# Altium PCB Inverter_540VDC_V2.PcbDoc (part 1 of 3)
Units mm, origin at the board's own origin, x right, y up, seen from the top; angles counter-clockwise.
Board outline 420 x 300 mm, 2 copper layers (Top Layer, Bottom Layer), stack 2.071 mm thick; 433 components, 189 nets, 1065 pads, 944 vias.
Unrouted connection lines stored in the file: 97.
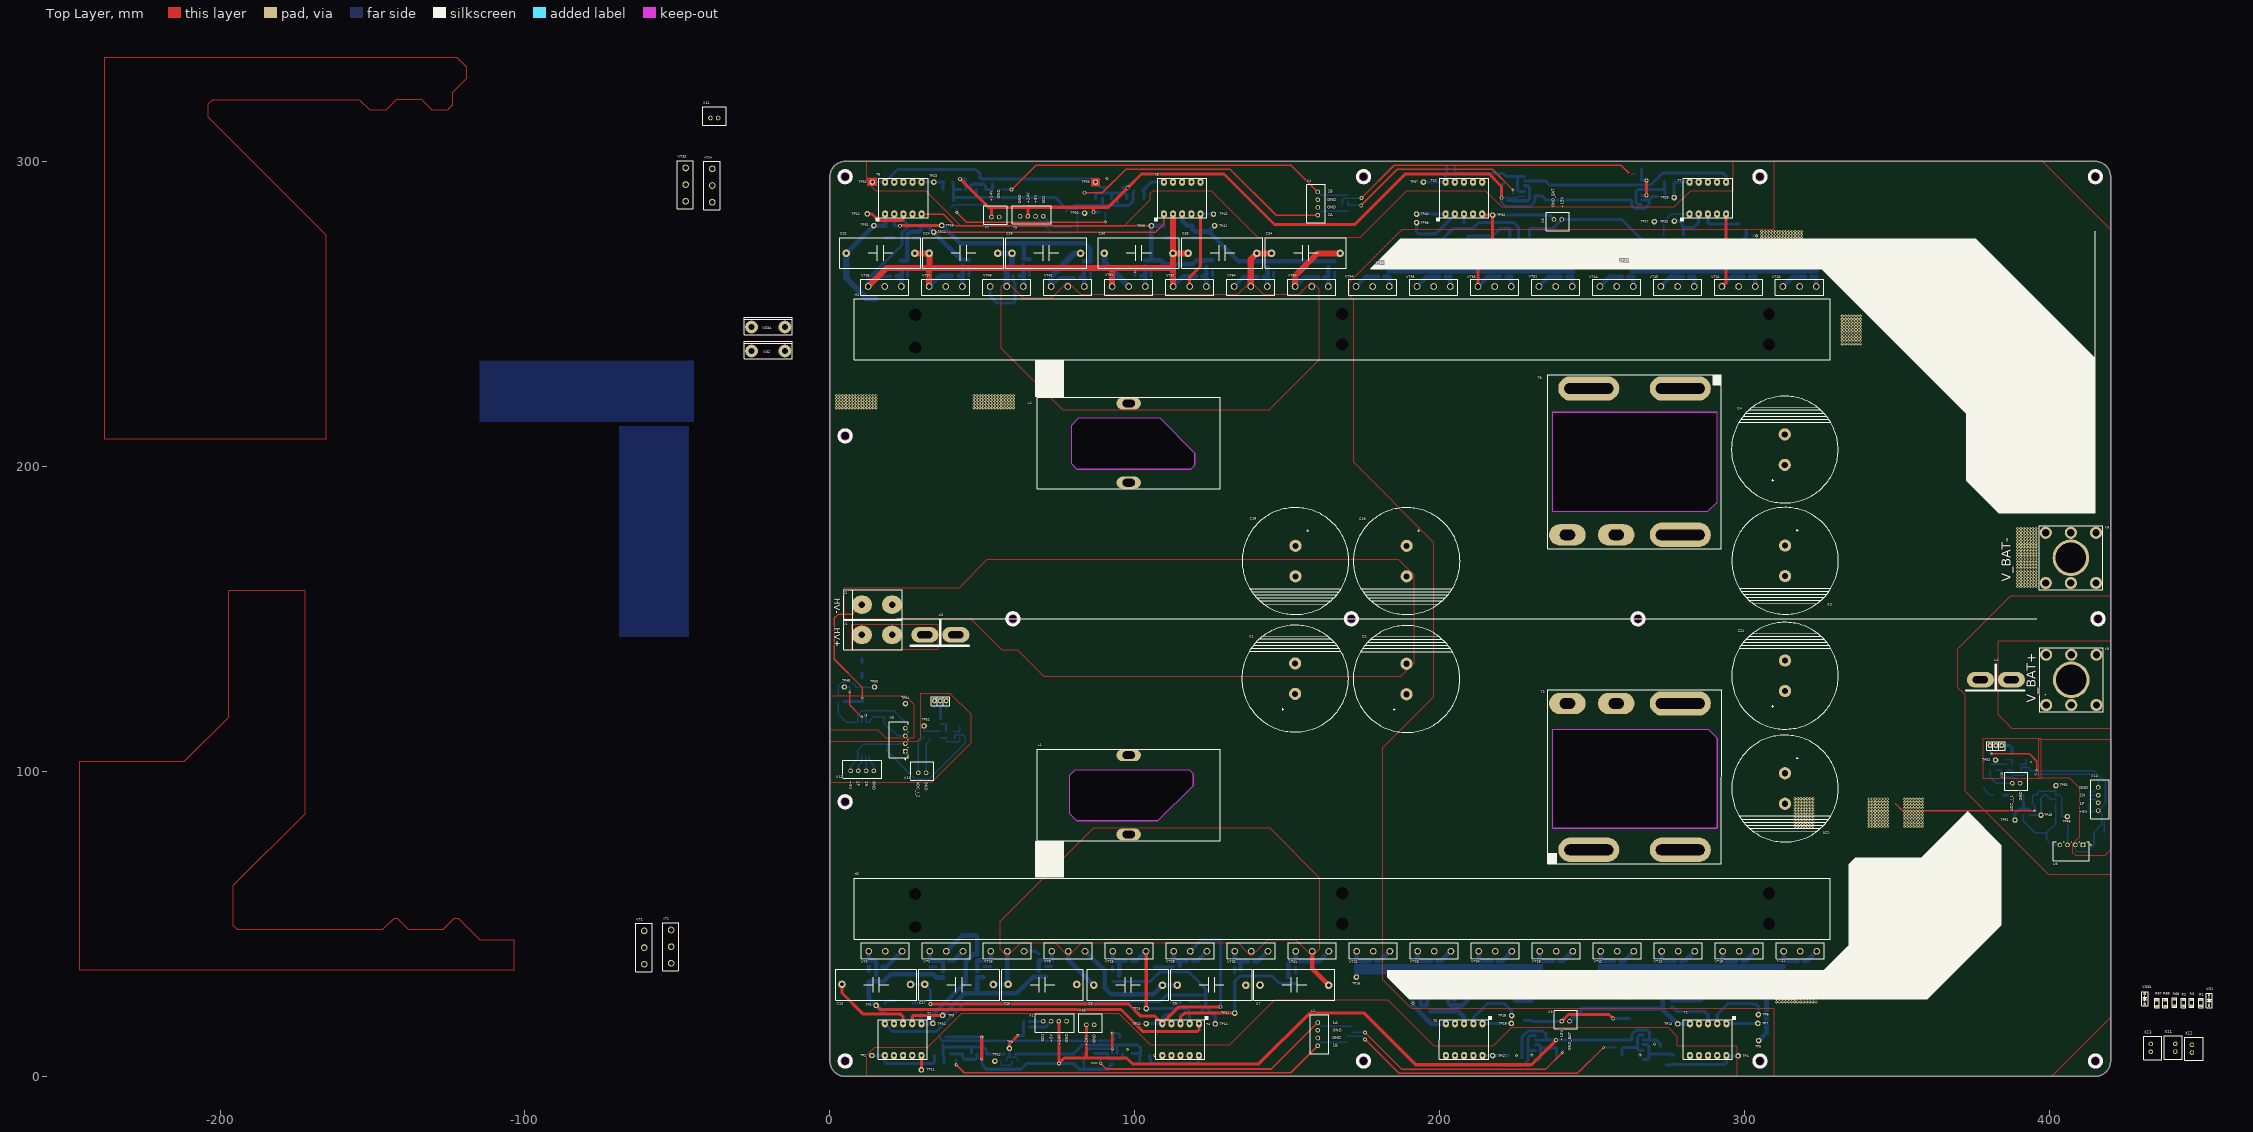
[diagram p0: Top Layer view]
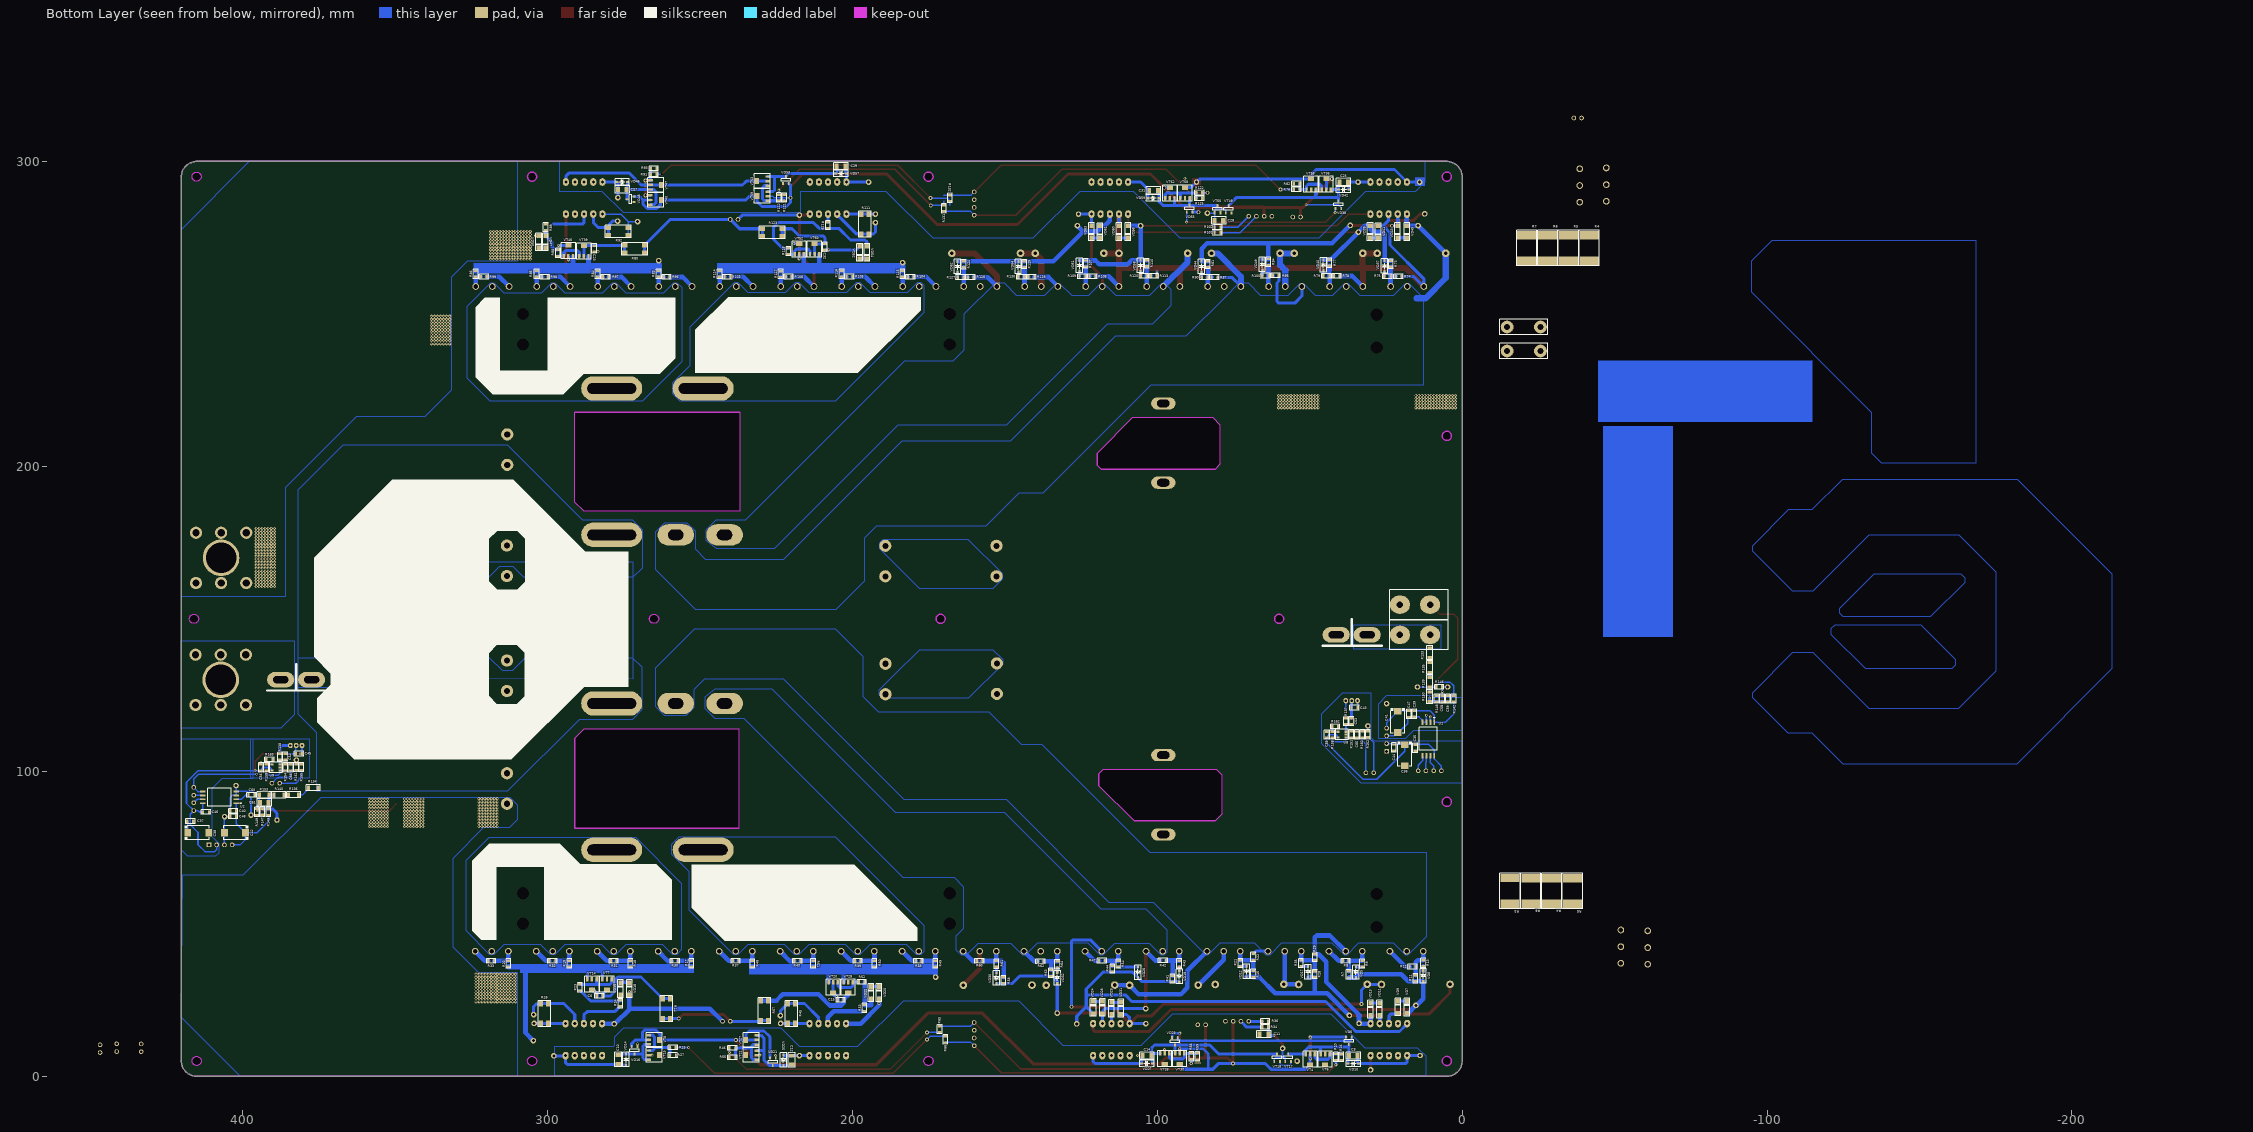
[diagram p1: Bottom Layer view, seen from below]
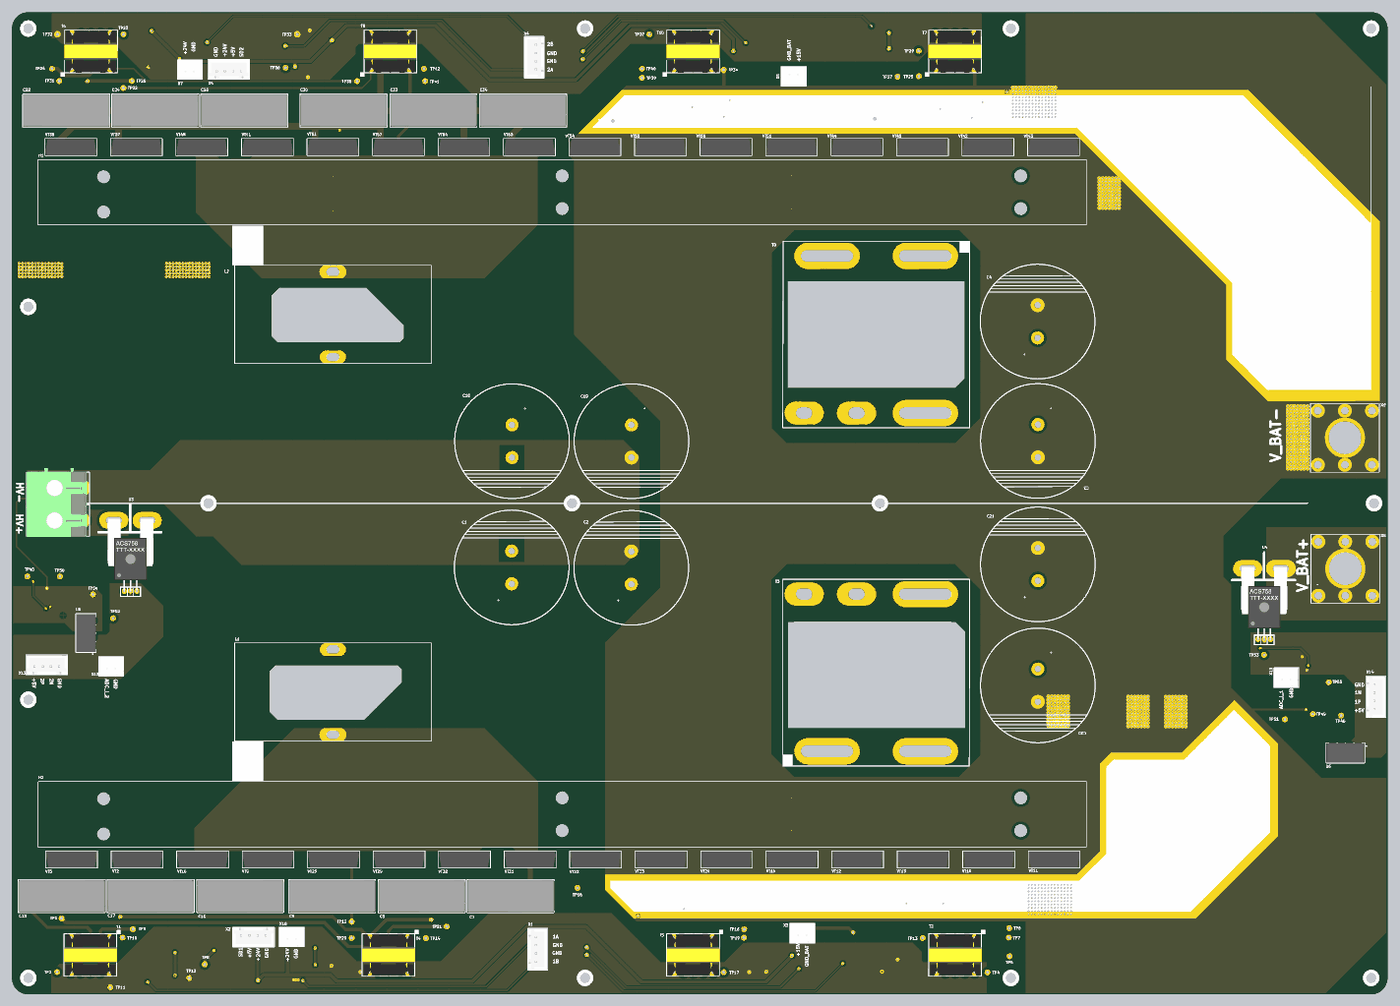
[diagram p4: 3D render of the assembled board from above, using the file's embedded part models]
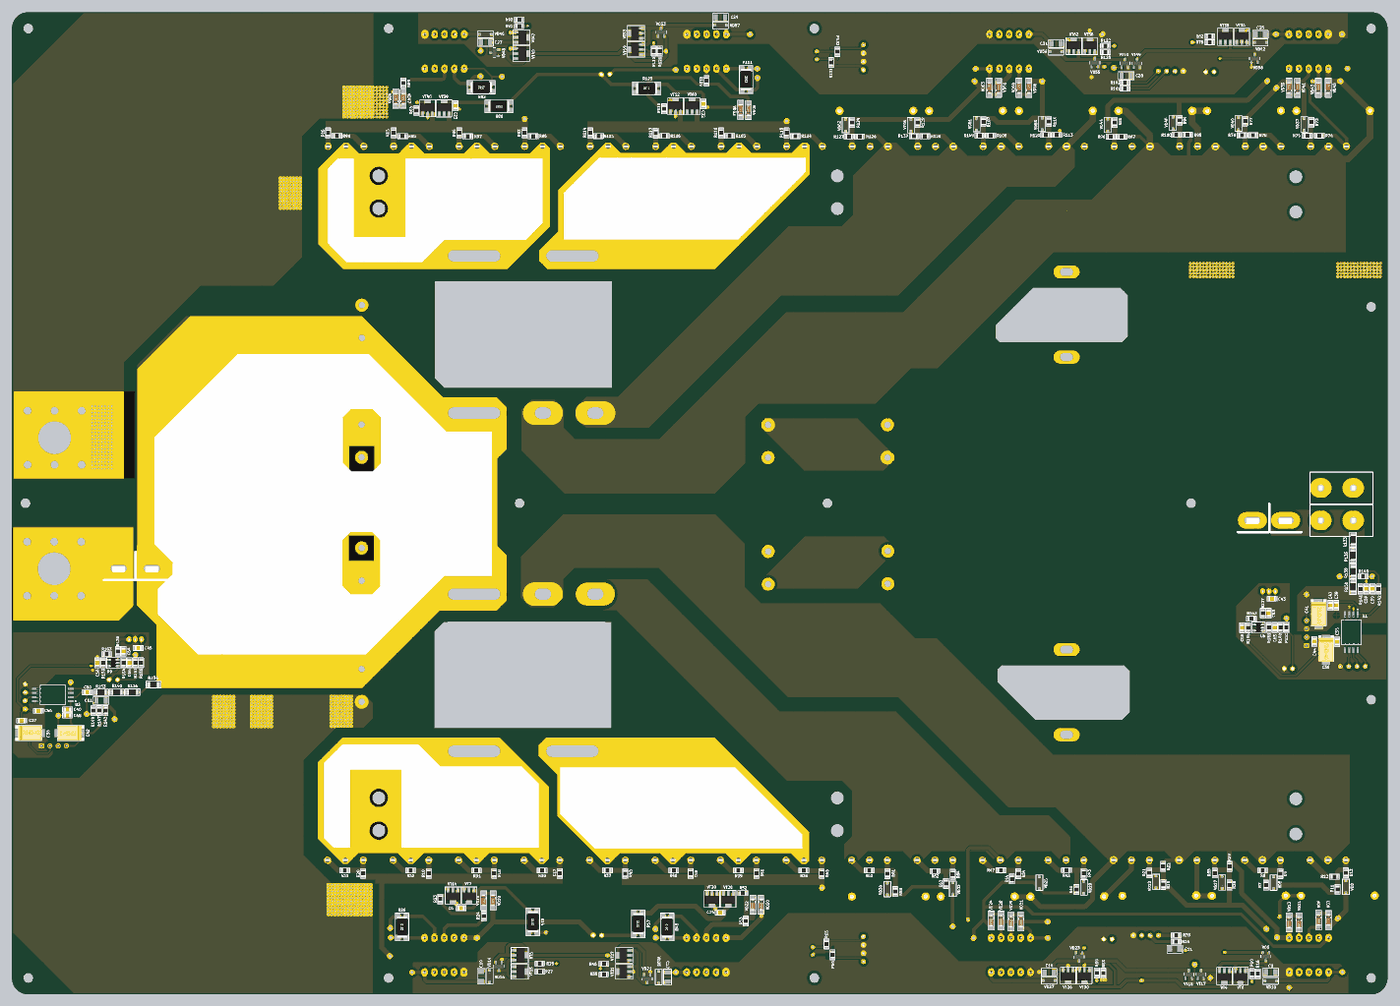
[diagram p5: 3D render of the assembled board from below, using the file's embedded part models]

## Layer stack, top to bottom
Top Solder: solder mask 0.0102, Solder Resist, Dk 3.5
Top Layer: signal copper 0.0356
Dielectric 1: dielectric 2, FR-4, Dk 4.8
Bottom Layer: signal copper 0.0356
Bottom Solder: solder mask 0.0102, Solder Resist, Dk 3.5

## Board outline
5,0 cw(c5,5) 0,5 0,295 cw(c5,295) 5,300 5.077,300 415,300.003 415,300 cw(c415,295) 420,295 420,5 cw(c415,5) 415,0
cut-out: 303.5,5 ccw(c305,5) 305,3.5 ccw(c305,5) 306.5,5 ccw(c305,5) 305,6.5 ccw(c305,5)
cut-out: 173.5,5 ccw(c175,5) 175,3.5 ccw(c175,5) 176.5,5 ccw(c175,5) 175,6.5 ccw(c175,5)
cut-out: 5,3.5 cw(c5,5) 3.5,5 cw(c5,5) 5,6.5 cw(c5,5) 6.5,5 cw(c5,5)
cut-out: 5,88.5 cw(c5,90) 3.5,90 cw(c5,90) 5,91.5 cw(c5,90) 6.5,90 cw(c5,90)
cut-out: 60,148.5 cw(c60,150) 58.5,150 cw(c60,150) 60,151.5 cw(c60,150) 61.5,150 cw(c60,150)
cut-out: 5,208.5 cw(c5,210) 3.5,210 cw(c5,210) 5,211.5 cw(c5,210) 6.5,210 cw(c5,210)
cut-out: 5,293.5 cw(c5,295) 3.5,295 cw(c5,295) 5,296.5 cw(c5,295) 6.5,295 cw(c5,295)
cut-out: 175,293.5 cw(c175,295) 173.5,295 cw(c175,295) 175,296.5 cw(c175,295) 176.5,295 cw(c175,295)
cut-out: 305,293.5 cw(c305,295) 303.5,295 cw(c305,295) 305,296.5 cw(c305,295) 306.5,295 cw(c305,295)
cut-out: 171,148.5 cw(c171,150) 169.5,150 cw(c171,150) 171,151.5 cw(c171,150) 172.5,150 cw(c171,150)
cut-out: 263.5,150 ccw(c265,150) 265,148.5 ccw(c265,150) 266.5,150 ccw(c265,150) 265,151.5 ccw(c265,150)
cut-out: 413.5,5 ccw(c415,5) 415,3.5 ccw(c415,5) 416.5,5 ccw(c415,5) 415,6.5 ccw(c415,5)
cut-out: 413.5,295 ccw(c415,295) 415,293.5 ccw(c415,295) 416.5,295 ccw(c415,295) 415,296.5 ccw(c415,295)
cut-out: 414.37,150 ccw(c415.87,150) 415.87,148.5 ccw(c415.87,150) 417.37,150 ccw(c415.87,150) 415.87,151.5 ccw(c415.87,150)
cut-out: 78.636,86.138 78.636,98.788 80.386,100.538 117.786,100.538 119.111,99.213 119.111,95.338 107.561,83.788 80.986,83.788
cut-out: 81,199.125 79.25,200.875 79.25,213.525 81.6,215.875 108.175,215.875 119.725,204.325 119.725,200.45 118.4,199.125
cut-out: 237.025,81.297 237.025,113.797 288.1,113.797 291.075,110.822 291.075,81.297
cut-out: 236.875,185.275 287.95,185.275 290.925,188.25 290.925,217.775 236.875,217.775

## Design rules (kind name [scope] priority, off if disabled: settings)
Clearance [All] p1: gap=0.8 ignorepadtopadclearanceinfootprint=TRUE except(0: Via-Hole Fill-Hole Text-Hole; 0.2: Arc-Track Arc-SMDPad Arc-THPad Arc-Via Arc-Fill Arc-Poly Arc-Region Arc-Text Arc-Hole; 0.25: Track-Track Track-SMDPad Track-THPad Track-Via Track-Fill Track-Poly Track-Region Track-Text Track-Hole; 0.254: Via-Via Via-Fill Via-Poly Via-Region Via-Text Fill-Fill Fill-Poly Fill-Region Fill-Text Text-Text; 0.4: Arc-Arc SMDPad-SMDPad SMDPad-THPad SMDPad-Via SMDPad-Fill SMDPad-Poly SMDPad-Region SMDPad-Text SMDPad-Hole)
ComponentClearance [All] p1: gap=-5 collisioncheckmode=3 verticalgap=0.254 showdistances=FALSE
DiffPairsRouting [All] p1: maxlimit=5 minlimit=0.254 mostfreqgap=0.254 toplayer_minwidth=0.381 toplayer_maxwidth=0.381 toplayer_prefwidth=0.381 bottomlayer_minwidth=0.381 bottomlayer_maxwidth=0.381 bottomlayer_prefwidth=0.381 maxuncoupledlength=12.7
Height [All] p1: minheight=0 maxheight=150 prefheight=50
MinimumSolderMaskSliver [All] p1: minsoldermaskwidth=0.15
PlaneClearance [All] p1: clearance=0.7
PlaneConnect [All] p1: planeconnectstyle=Direct reliefexpansion=0.508 reliefentries=4 reliefconductorwidth=0.254 reliefairgap=0.5
PolygonConnect [All] p1: connectstyle=Relief reliefconductorwidth=0.2 reliefentries=4 polygonreliefangle="90 Angle" airgapwidth=0.2
RoutingVias [All] p1: holewidth=0.711 width=1.27 viastyle="Through Hole" minholewidth=0.711 minwidth=1.27 maxholewidth=0.711 maxwidth=1.27
SilkToSilkClearance [All] p1: silktosilkclearance=0.15
SilkToSolderMaskClearance [IsPad] p1: minsilkscreentomaskgap=0.15 clearancetoexposedcopper=TRUE
SolderMaskExpansion [All] p1: expansion=0.102 istentingtop=FALSE
Width [All] p1: maxlimit=7 minlimit=0.254 preferedwidth=2 minimp=50.000000 maximp=50.000000 favimp=50.000000
22 further rules are at their usual default settings.

## Components (designator, comment, footprint, x,y, rotation, side; value= is the part's Value field where it differs from the comment)
C1 "470uF 550V" CAPPOL-65x35 152.575,130.4 r90 top locked
C2 "470uF 550V" CAPPOL-65x35 189.1,130.275 r90 top locked
C3 "22000uF 63V" CAPPOL-100x35 313.25,169.025 r270 top locked
C4 "22000uF 63V" CAPPOL-100x35 313.15,205.5 r90 top locked
C5 "CAP-NON-POLAR" CAP-FILM-22.5X26.5X10 125.175,30 r180 top
C6 "100nF" CAP-0805 282.853,26.325 r180 bottom
C7 "CAP-NON-POLAR" CAP-FILM-22.5X26.5X10 152.3,30 r180 top locked
C8 "2uF" CAP-1206 35.675,6.725 r180 bottom
C9 "CAP-NON-POLAR" CAP-FILM-22.5X26.5X10 97.8,30 r180 top
C10 "2uF" CAP-1206 276.725,5.475 r90 bottom
C11 "100nF" CAP-1206 64.975,13.8 r180 bottom
C12 "2uF" CAP-1206 219.825,5.3 r90 bottom
C13 "CAP-NON-POLAR" CAP-FILM-22.5X26.5X10 15.2,30 r0 top locked
C14 "2uF" CAP-1206 103.325,6.7 r180 bottom
C15 "100nF" CAP-0805 203.775,25 r180 bottom
C16 "CAP-NON-POLAR" CAP-FILM-22.5X26.5X10 69.7,30 r0 top
C17 "CAP-NON-POLAR" CAP-FILM-22.5X26.5X10 42.35,30 r0 top
C18 "470uF 550V" CAPPOL-65x35 152.675,168.95 r270 top locked
C19 "470uF 550V" CAPPOL-65x35 189.15,168.95 r270 top locked
C20 "22000uF 63V" CAPPOL-100x35 313.225,94.35 r270 top locked
C21 "22000uF 63V" CAPPOL-100x35 313.231,131.334 r90 top locked
C22 "CAP-NON-POLAR" CAP-FILM-22.5X26.5X10 16.6,270 r180 top locked
C23 "100nF" CAP-0805 284.6,271.425 r90 bottom
C24 "CAP-NON-POLAR" CAP-FILM-22.5X26.5X10 43.8,270 r180 top locked
C25 "2uF" CAP-1206 38.85,293.225 r180 bottom
C26 "CAP-NON-POLAR" CAP-FILM-22.5X26.5X10 70.95,270 r180 top locked
C27 "2uF" CAP-1206 275.4,290.8 r180 bottom
C28 "100nF" CAP-1206 79.775,280.6 r0 bottom
C29 "2uF" CAP-1206 203.675,298.425 r180 bottom
C30 "CAP-NON-POLAR" CAP-FILM-22.5X26.5X10 101.275,270 r180 top locked
C31 "2uF" CAP-1206 101.175,290.425 r180 bottom
C32 "100nF" CAP-0805 208.9,271.975 r90 bottom
C33 "CAP-NON-POLAR" CAP-FILM-22.5X26.5X10 128.725,270 r180 top locked
C34 "CAP-NON-POLAR" CAP-FILM-22.5X26.5X10 156.075,270 r180 top locked
C35 "0.1uF" CAP-0805 15.375,107.675 r270 bottom
C36 "47uF_16V" CAP-TAN-D 18.8,105.25 r270 bottom
C37 "0.1uF" CAP-0805 417.05,83.625 r180 bottom
C38 "47uF_16V" CAP-TAN-D 414.5,79.8 r180 bottom
C39 "0.1uF" CAP-0805 15.65,118.825 r90 bottom
C40 "0.1uF" CAP-0805 403.025,87.025 r180 bottom
C41 "100uF_16V" CAP-TAN-D 21.05,116.2 r270 bottom
C42 "100uF_16V" CAP-TAN-D 402.425,79.8 r0 bottom
C43 "0.1uF" CAP-0805 35.275,120.85 r180 bottom
C44 "0.1uF" CAP-0805 22.325,107.8 r270 bottom
C45 "0.1uF" CAP-0805 381.45,105.775 r180 bottom
C46 "0.1uF" CAP-0805 411.95,86.6 r180 bottom
C47 "0.1uF" CAP-0805 17.45,118.8 r270 bottom
C48 "0.1uF" CAP-0805 403.025,85.175 r0 bottom
C53 "270pF" CAP-0805 36.325,116.4 r270 bottom
C54 "270pF" CAP-0805 385.925,104.775 r270 bottom
C55 "0.1uF" CAP-0805 44.394,111.975 r270 bottom
C56 "0.1uF" CAP-0805 393.95,101.25 r270 bottom
C58 "0.33uF" CAP-0805 6.5,123.825 r90 bottom
C59 "0.1uF" CAP-0805 4.6,123.825 r90 bottom
C60 "0.33uF" CAP-0805 397,92.275 r0 bottom
C61 "0.1uF" CAP-1206 392.8,89.75 r180 bottom
C65 "220pF" CAP-0805 34.444,112.05 r90 bottom
C66 "220pF" CAP-0805 384.125,101.275 r90 bottom
H1 "HEAT SINK" "HEAT SINK" 168,245 r180 top
H2 "HEAT SINK" "HEAT SINK" 168,55 r180 top locked
J1 "MG_136_HT" Conn_MEIGAN_MG136HT 13.024,144.749 r270 top locked
J2 "MG_136_HT" Conn_MEIGAN_MG136HT 13.028,154.668 r270 top locked
L1 "120uH" DROSSEL_TOR_50X30X20 98,92.3 r180 top locked
L2 "120uH" DROSSEL_TOR_50X30X20 98,207.65 r0 top locked
R1 "24OHM" RES-0805 449.675,24.05 r90 top
R2 "2K" RES-0805 443.925,24.05 r270 top
R3 "R008" RES-3921 -15.725,60.8 r270 bottom
R3 "24OHM" RES-0805 446.55,24.125 r90 top
R4 "R008" RES-3921 -29.375,60.725 r270 bottom
R4 "R008" RES-3921 -41.75,271.625 r90 bottom
R5 "R008" RES-3921 -36.2,60.725 r270 bottom
R5 "R008" RES-3921 -34.875,271.625 r90 bottom
R6 "R008" RES-3921 -22.55,60.775 r270 bottom
R6 "R008" RES-3921 -28.05,271.625 r90 bottom
R7 "R008" RES-3921 -21.175,271.65 r90 bottom
R7 "24OHM" RES-0805 37.15,33.375 r90 bottom
R8 "2K" RES-0805 38.175,37.85 r0 bottom
R9 "24OHM" RES-0805 32.725,36.875 r90 bottom
R10 "100" RES-0805 41.4,6.3 r90 bottom
R11 "24OHM" RES-0805 15.25,32.1 r90 bottom
R12 "2K" RES-0805 16.25,35.9 r0 bottom
R13 "24OHM" RES-0805 12.75,37.1 r90 bottom
R14 "1 OHM" RES-2512 260.95,22.15 r90 bottom
R15 "24OHM" RES-0805 68.475,33.55 r90 bottom
R16 "10K" RES-0805 39.6,6.275 r90 bottom
R17 "20 OHM" RES-0805 252.75,36.925 r270 bottom
R18 "20 OHM" RES-0805 272.75,36.925 r270 bottom
R19 "20 OHM" RES-0805 292.75,36.925 r270 bottom
R20 "20 OHM" RES-0805 312.75,36.925 r270 bottom
R21 "24OHM" RES-0805 72.725,37.075 r90 bottom
R22 "2K" RES-0805 68.5,39.1 r90 bottom
R23 "10" RES-0805 289.228,29.125 r90 bottom
R24 "100" RES-0805 275.95,23.9 r90 bottom
R25 "100" RES-0805 258.825,9.425 r0 bottom
R26 "200" RES-2512 300.875,20.575 r90 bottom
R27 "10K" RES-0805 258.8,6.9 r0 bottom
R28 "24OHM" RES-0805 48.275,33.425 r90 bottom
R29 "2K" RES-0805 48.275,39.05 r90 bottom
R30 "2K" RES-0805 258.125,37.8 r180 bottom
R31 "2K" RES-0805 278.2,37.8 r180 bottom
R32 "2K" RES-0805 298.3,37.8 r180 bottom
R33 "2K" RES-0805 318.4,37.8 r180 bottom
R34 "1K" RES-0805 64.55,16.1 r180 bottom
R35 "24OHM" RES-0805 52.775,37.05 r90 bottom
R36 "1" RES-0805 64.525,18.025 r180 bottom
R37 "2K" RES-0805 238.2,37.85 r0 bottom
R38 "2K" RES-0805 178.225,37.8 r0 bottom
R39 "2K" RES-0805 198.225,37.8 r0 bottom
R40 "2K" RES-0805 217.95,37.8 r180 bottom
R41 "24OHM" RES-0805 94.925,32 r90 bottom
R42 "2K" RES-0805 98.075,37.95 r0 bottom
R43 "24OHM" RES-0805 92.75,36.925 r90 bottom
R44 "24OHM" RES-0805 114.675,35.25 r90 bottom
R45 "200" RES-2512 219.95,20.575 r90 bottom
R46 "100" RES-0805 239.275,9.3 r180 bottom
R47 "2K" RES-0805 118.075,37.875 r0 bottom
R48 "20 OHM" RES-0805 232.75,36.9 r90 bottom
R49 "20 OHM" RES-0805 172.725,36.925 r90 bottom
R50 "20 OHM" RES-0805 192.7,36.925 r90 bottom
R51 "20 OHM" RES-0805 212.775,36.925 r90 bottom
R52 "10" RES-0805 196.875,30.875 r0 bottom
R53 "100" RES-0805 195.95,22.4 r90 bottom
R54 "24OHM" RES-0805 112.725,36.875 r90 bottom
R55 "10K" RES-0805 239.275,6.125 r180 bottom
R56 "100" RES-0805 88.75,6.5 r90 bottom
R57 "1 OHM" RES-2512 228.8,21.55 r90 bottom
R58 "24OHM" RES-0805 150.35,31.425 r90 bottom
R59 "10K" RES-0805 86.775,6.475 r90 bottom
R60 "2K" RES-0805 158.225,37.8 r0 bottom
R61 "24OHM" RES-0805 152.725,36.85 r90 bottom
R62 "2K" RES-0805 138.225,37.675 r0 bottom
R63 "24OHM" RES-0805 134.8,33.875 r90 bottom
R64 "24OHM" RES-0805 132.75,36.65 r90 bottom
R65 "100" RES-0805 171.3,15.4 r90 bottom
R66 "100" RES-0805 169.422,12.062 r270 bottom
R67 "24OHM" RES-0805 435.175,23.975 r90 top
R68 "2K" RES-0805 440.925,24.175 r270 top
R69 "24OHM" RES-0805 437.9,23.975 r90 top
R73 "24OHM" RES-0805 23.275,266.4 r270 bottom
R74 "2K" RES-0805 20.825,262.3 r180 bottom
R75 "24OHM" RES-0805 24.475,262.275 r180 bottom
R76 "100" RES-0805 54.275,290.8 r180 bottom
R77 "24OHM" RES-0805 43.475,266.725 r270 bottom
R78 "2K" RES-0805 41.075,262.425 r180 bottom
R79 "24OHM" RES-0805 44.475,262.425 r180 bottom
R80 "1 OHM" RES-2512 271.35,271.3 r0 bottom
R81 "24OHM" RES-0805 83.3,266.275 r270 bottom
R82 "10K" RES-0805 54.275,292.675 r180 bottom